# KiCad board SparkFun_GNSS_pHAT_panelized.kicad_pcb (continued)
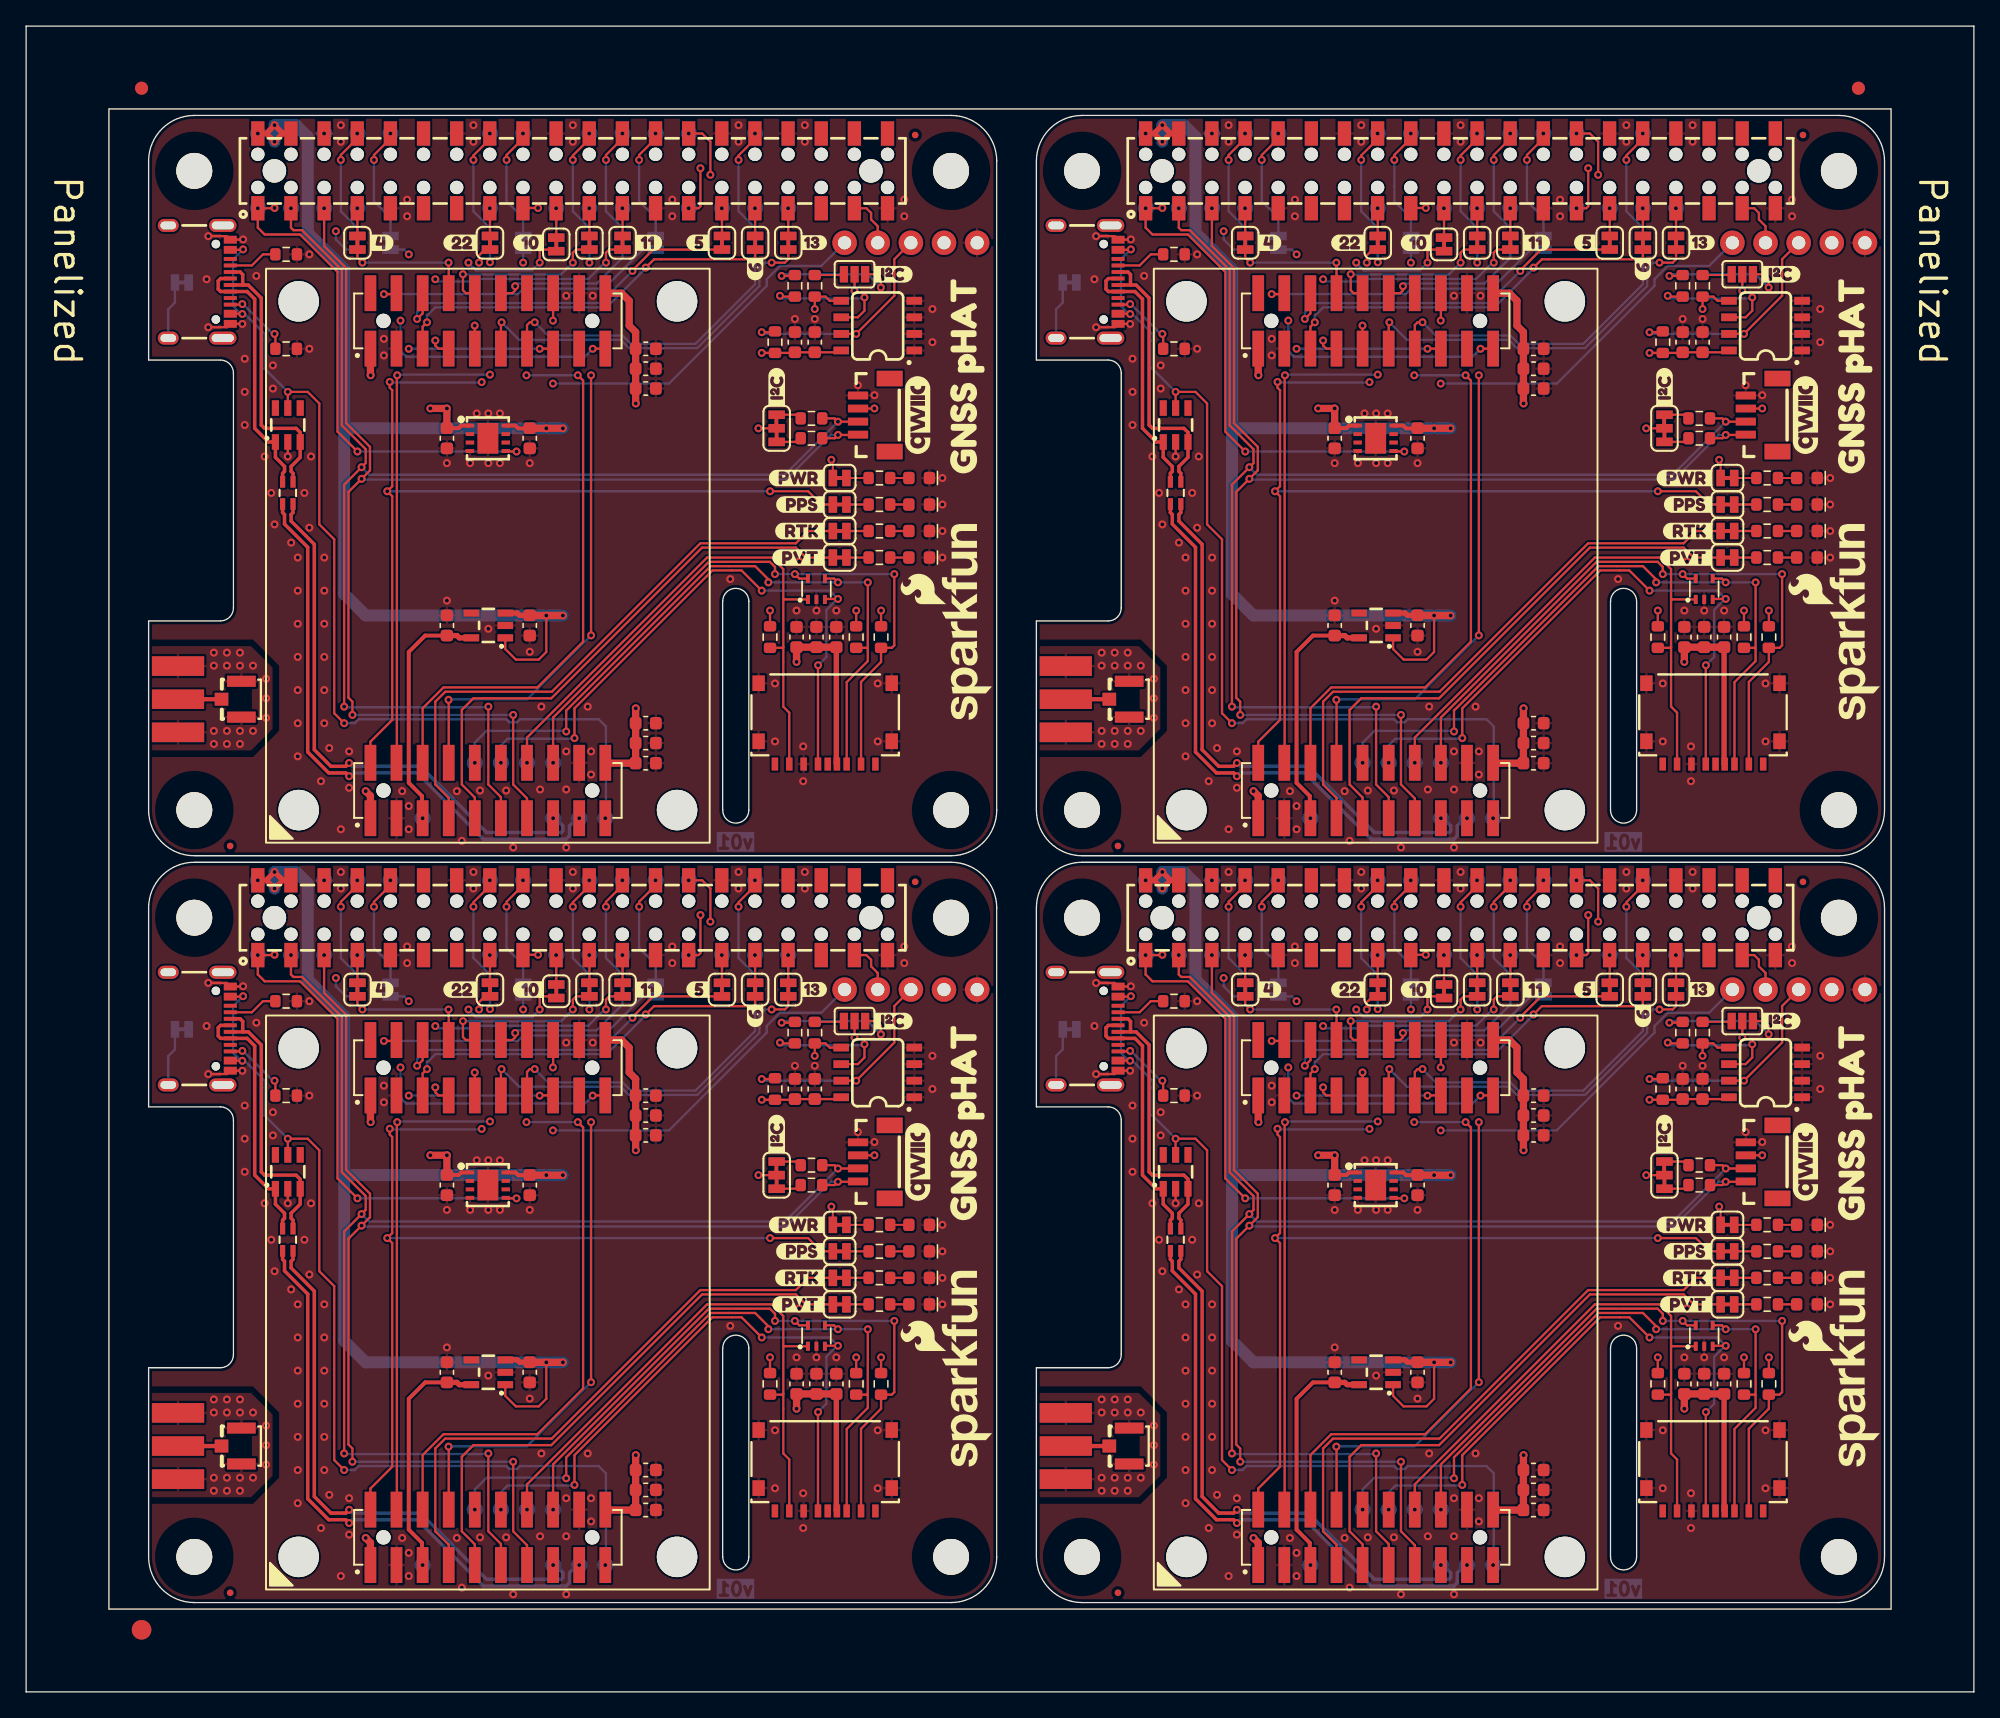
[diagram p0: board, top side]
## Routing (per net, layer and track width the routed paths; a pad name or vN(x,y) marks a point on that pad's centre or on a via; arc(x,y) is an arc through that point) (continued)
SDA: length 412
  Top w0.178: 129.06,97.63 130.01,97.63 v1(130.26,97.37) 131.79,97.37 J8#4.3 ; R4#4.1 61.97,97.63 v1(62.22,97.37) 63.75,97.37 J8#3.3 ; v1(103.47,18.28) 103.47,12.31 104.43,11.35 J2#3.11 ; R4#3.1 61.97,40.38 v1(62.22,40.12) 63.75,40.12 J8.3 ; v1(88.34,113.73) 88.34,112.25 88.53,112.06 89.19,112.06 92.24,109.01 92.24,97.09 94.07,95.27 94.07,94.2 v1(93.75,93.88) 92.42,92.55 v1(92.42,75.53) ; v1(24.38,18.28) 24.38,35.3 v1(25.71,36.63) 26.03,36.95 26.03,38.02 24.2,39.84 24.2,51.76 21.15,54.81 20.49,54.81 20.3,55 v1(20.3,56.48) ; v1(35.42,75.53) 35.42,69.56 36.39,68.6 36.39,66.98 ; v1(88.34,56.48) 88.34,55 88.53,54.81 89.19,54.81 92.24,51.76 92.24,39.84 94.07,38.02 94.07,36.95 v1(93.75,36.63) 92.42,35.3 v1(92.42,18.28) ; v1(35.42,18.28) 35.42,12.31 36.39,11.35 J2.11 ; v1(20.3,113.73) 20.3,112.25 20.49,112.06 21.15,112.06 24.2,109.01 24.2,97.09 26.03,95.27 26.03,94.2 v1(25.71,93.88) 24.38,92.55 v1(24.38,75.53) ; 129.06,40.38 130.01,40.38 v1(130.26,40.12) 131.79,40.12 J8#2.3 ; 104.43,66.98 104.43,68.6 103.47,69.56 v1(103.47,75.53)
  Bottom w0.152: TP3.1 20.31,113.75 v1(20.3,113.73) ; v1(20.3,56.48) 20.31,56.5 TP3#4.1 ; v1(88.34,113.73) 88.35,113.75 TP3#3.1 ; v1(88.34,56.48) 88.35,56.5 TP3#2.1
  Bottom w0.178: v1(92.42,18.28) 92.47,18.23 103.41,18.23 v1(103.47,18.28) ; v1(130.26,40.12) 126.2,36.06 94.32,36.06 v1(93.75,36.63) ; v1(93.75,93.88) 94.32,93.31 126.2,93.31 v1(130.26,97.37) ; v1(24.38,75.53) 24.43,75.48 35.37,75.48 v1(35.42,75.53) ; v1(25.71,36.63) 26.28,36.06 58.16,36.06 v1(62.22,40.12) ; v1(25.71,93.88) 26.28,93.31 58.16,93.31 v1(62.22,97.37) ; v1(92.42,75.53) 92.47,75.48 103.41,75.48 v1(103.47,75.53) ; v1(35.42,18.28) 35.37,18.23 24.43,18.23 v1(24.38,18.28)
TXD1: length 79.4
  Top w0.178: v1(39.36,45.71) 39.38,45.73 J4#2.15 ; v1(39.36,102.96) 39.38,102.97 J4#4.15 ; J4#3.15 107.41,102.97 v1(107.4,102.96) ; J4.15 107.41,45.73 v1(107.4,45.71)
  In2.Cu w0.178: v1(97.37,45.71) v1(97.37,52.95) ; v1(29.33,102.96) v1(29.33,110.2) ; v1(97.37,102.96) v1(97.37,110.2) ; v1(29.33,45.71) v1(29.33,52.95)
  Bottom w0.178: JP15#3.1 97,53.32 v1(97.37,52.95) ; v1(39.36,45.71) v1(29.33,45.71) ; v1(107.4,102.96) v1(97.37,102.96) ; v1(29.33,52.95) 28.96,53.32 JP15.1 ; JP15#4.1 97,110.57 v1(97.37,110.2) ; v1(29.33,110.2) 28.96,110.57 JP15#2.1 ; v1(39.36,102.96) v1(29.33,102.96) ; v1(107.4,45.71) v1(97.37,45.71)
TXD2: length 52.7
  Top w0.178: v1(101.52,108.68) 101.52,107.45 101.74,107.22 J4#3.10 ; v1(101.52,51.43) 101.52,50.2 101.74,49.98 J4.10 ; v1(109.94,109.57) 109.94,110.33 110.18,110.57 JP9#2.2 ; v1(109.94,52.32) 109.94,53.08 110.18,53.32 JP9#3.2 ; v1(41.9,109.57) 41.9,110.33 42.14,110.57 JP9#4.2 ; J4#4.10 33.7,107.22 33.48,107.45 v1(33.48,108.68) ; JP9.2 42.14,53.32 41.9,53.08 v1(41.9,52.32) ; J4#2.10 33.7,49.98 33.48,50.2 v1(33.48,51.43)
  Bottom w0.178: v1(41.9,109.57) 40.99,108.65 33.5,108.65 v1(33.48,108.68) ; v1(109.94,52.32) 109.03,51.4 101.54,51.4 v1(101.52,51.43) ; v1(101.52,108.68) 101.54,108.65 109.03,108.65 v1(109.94,109.57) ; v1(33.48,51.43) 33.5,51.4 40.99,51.4 v1(41.9,52.32)
TXD3: length 112.2
  Top w0.178: v1(114.51,108.93) 114.51,108.98 116.1,110.57 JP5#4.2 ; v1(29.96,105.25) 30.39,105.67 J4#4.6 ; v1(46.47,51.68) 46.47,51.73 48.06,53.32 JP5.2 ; JP5#3.2 48.06,110.57 46.47,108.98 v1(46.47,108.93) ; J4.6 98.43,48.42 v1(98,48) ; J4#3.6 98.43,105.67 v1(98,105.25) ; v1(29.96,48) 30.39,48.42 J4#2.6 ; v1(114.51,51.68) 114.51,51.73 116.1,53.32 JP5#2.2
  Bottom w0.178: v1(98,105.25) 98,105.76 98.72,106.47 112.05,106.47 v1(114.51,108.93) ; v1(29.96,105.25) 29.96,105.76 30.68,106.47 44.01,106.47 v1(46.47,108.93) ; v1(46.47,51.68) 44.01,49.22 30.68,49.22 29.96,48.51 v1(29.96,48) ; v1(98,48) 98,48.51 98.72,49.22 112.05,49.22 v1(114.51,51.68)
TXD4: length 116.8
  Top w0.178: v1(57.14,52.32) 58.16,52.32 58.41,52.57 JP13#3.2 ; v1(125.18,109.57) 126.2,109.57 126.45,109.82 JP13.2 ; v1(57.14,109.57) 58.16,109.57 58.41,109.82 JP13#4.2 ; v1(125.18,52.32) 126.2,52.32 126.45,52.57 JP13#2.2 ; v1(104.48,104.99) 104.43,104.94 J4#3.11 ; J4.11 104.43,47.69 v1(104.48,47.74) ; J4#4.11 36.39,104.94 v1(36.44,104.99) ; J4#2.11 36.39,47.69 v1(36.44,47.74)
  Bottom w0.178: v1(36.44,47.74) 37.79,46.4 45.58,46.4 46.21,45.76 51.44,45.76 56.2,50.53 56.2,51.88 56.63,52.32 v1(57.14,52.32) ; v1(125.18,52.32) 124.67,52.32 124.24,51.88 124.24,50.53 119.48,45.76 114.25,45.76 113.62,46.4 105.83,46.4 v1(104.48,47.74) ; v1(104.48,104.99) 105.83,103.65 113.62,103.65 114.25,103.01 119.48,103.01 124.24,107.78 124.24,109.13 124.67,109.57 v1(125.18,109.57) ; v1(57.14,109.57) 56.63,109.57 56.2,109.13 56.2,107.78 51.44,103.01 46.21,103.01 45.58,103.65 37.79,103.65 v1(36.44,104.99)
VBACKUP: length 74
  Top w0.305: 98.38,9.77 98.38,11.42 97.37,12.44 97.37,22.47 98.63,23.73 C5#2.2 ; C5#3.2 30.59,23.73 29.33,22.47 29.33,12.44 30.34,11.42 30.34,9.77 ; C5.2 30.59,80.98 29.33,79.72 29.33,69.69 30.34,68.67 30.34,67.02 ; 98.38,67.02 98.38,68.67 97.37,69.69 97.37,79.72 98.63,80.98 C5#4.2
  Top w0.406: U3#4.5 101.24,23.55 101.06,23.73 C5#2.2 ; U3.5 101.24,80.8 101.06,80.98 C5#4.2 ; U3#3.5 33.2,23.55 33.03,23.73 C5#3.2 ; U3#2.5 33.2,80.8 33.03,80.98 C5.2
  vias: v1(30.39,66.98) v1(30.39,9.73) v1(98.43,66.98) v1(98.43,9.73)
VUSB: length 288.2
  Top w0.178: v1(92.42,17.01) 91.65,17.77 91.65,31.11 90.51,32.25 90.51,41.52 89.62,42.41 v1(88.1,42.41) D1#4.5 ; v1(16.63,110.58) 16.6,110.55 J6#2.VBUS ; v1(24.38,17.01) 23.61,17.77 23.61,31.11 22.47,32.25 22.47,41.52 21.58,42.41 v1(20.06,42.41) D1#3.5 ; v1(24.38,74.26) 23.61,75.02 23.61,88.36 22.47,89.5 22.47,98.77 21.58,99.66 v1(20.06,99.66) D1#2.5 ; J6#3.VBUS 84.64,110.55 v1(84.67,110.58) ; J6.VBUS 84.59,48.4 v1(84.61,48.38) ; v1(84.67,53.33) 84.64,53.3 J6.VBUS ; J6#2.VBUS 16.55,105.65 v1(16.57,105.63) ; v1(16.57,48.38) 16.55,48.4 J6#4.VBUS ; v1(92.42,74.26) 91.65,75.02 91.65,88.36 90.51,89.5 90.51,98.77 89.62,99.66 v1(88.1,99.66) D1.5 ; J6#3.VBUS 84.59,105.65 v1(84.61,105.63) ; J6#4.VBUS 16.6,53.3 v1(16.63,53.33)
  Bottom w0.178: v1(84.67,110.58) 83.91,109.82 83.91,106.24 84.52,105.63 v1(84.61,105.63) 84.8,105.63 86.32,104.11 86.32,101.44 v1(88.1,99.66) ; v1(112.43,66.98) 112.48,67.03 112.48,74.01 111.92,74.56 105.9,74.56 105.67,74.34 105.07,74.34 104.84,74.56 93.53,74.56 93.23,74.26 v1(92.42,74.26) ; v1(88.1,42.41) 86.32,44.19 86.32,46.86 84.8,48.38 v1(84.61,48.38) 84.52,48.38 83.91,48.99 83.91,52.57 v1(84.67,53.33) ; v1(44.39,9.73) 44.44,9.78 44.44,16.76 43.88,17.31 37.86,17.31 37.63,17.09 37.03,17.09 36.8,17.31 25.49,17.31 25.19,17.01 v1(24.38,17.01) ; v1(16.63,110.58) 15.87,109.82 15.87,106.24 16.48,105.63 v1(16.57,105.63) 16.76,105.63 18.28,104.11 18.28,101.44 v1(20.06,99.66) ; v1(44.39,66.98) 44.44,67.03 44.44,74.01 43.88,74.56 37.86,74.56 37.63,74.34 37.03,74.34 36.8,74.56 25.49,74.56 25.19,74.26 v1(24.38,74.26) ; v1(112.43,9.73) 112.48,9.78 112.48,16.76 111.92,17.31 105.9,17.31 105.67,17.09 105.07,17.09 104.84,17.31 93.53,17.31 93.23,17.01 v1(92.42,17.01) ; v1(20.06,42.41) 18.28,44.19 18.28,46.86 16.76,48.38 v1(16.57,48.38) 16.48,48.38 15.87,48.99 15.87,52.57 v1(16.63,53.33)
WP: length 72.9
  Top w0.178: 67.81,53.85 66.54,52.58 66.54,49.78 v1(63.62,46.86) U1#3.7 ; 135.85,111.1 134.58,109.83 134.58,107.03 v1(131.66,104.11) 130.51,104.11 ; R3#4.1 125.37,46.98 v1(124.42,46.98) ; R3#3.1 57.33,104.23 v1(56.38,104.23) ; R3#2.1 57.33,46.98 v1(56.38,46.98) ; v1(124.42,104.23) 125.37,104.23 R3.1 ; 62.47,104.11 v1(63.62,104.11) 66.54,107.03 66.54,109.83 67.81,111.1 ; U1#2.7 v1(131.66,46.86) 134.58,49.78 134.58,52.58 135.85,53.85
  Bottom w0.178: v1(131.66,46.86) 124.55,46.86 v1(124.42,46.98) ; v1(63.62,46.86) 56.51,46.86 v1(56.38,46.98) ; v1(56.38,104.23) 56.51,104.11 v1(63.62,104.11) ; v1(124.42,104.23) 124.55,104.11 v1(131.66,104.11)
~{RST}: length 136.2
  Top w0.178: v1(108.42,105.12) 108.43,105.13 J4#3.16 ; v1(108.42,47.87) 108.43,47.88 J4.16 ; v1(40.38,105.12) 40.39,105.13 J4#4.16 ; v1(40.38,47.87) 40.39,47.88 J4#2.16
  In2.Cu w0.178: v1(108.42,105.12) v1(108.42,100.3) ; v1(40.38,43.05) v1(40.38,47.87) ; v1(108.42,43.05) v1(108.42,47.87) ; v1(40.38,100.3) v1(40.38,105.12)
  Bottom w0.178: v1(108.42,43.05) 117.31,43.05 124.8,50.54 124.8,51.05 125.82,52.06 128.98,52.06 130.77,53.85 ; v1(40.38,43.05) 49.27,43.05 56.76,50.54 56.76,51.05 57.78,52.06 60.94,52.06 62.73,53.85 ; 130.77,111.1 128.98,109.31 125.82,109.31 124.8,108.3 124.8,107.79 117.31,100.3 v1(108.42,100.3) ; 62.73,111.1 60.94,109.31 57.78,109.31 56.76,108.3 56.76,107.79 49.27,100.3 v1(40.38,100.3)
Net-(D1-I/O1): length 80.3
  Top w0.267: J6#2.A6 14.9,108.35 14.72,108.17 14.72,107.53 14.91,107.35 J6#2.B6 16.94,107.35 17.52,106.77 17.52,96.87 18.56,95.82 D1#2.1 19.11,94.64 19.8,93.94 19.8,93.56 19.66,93.42 TR1#3.3 ; TR1#2.3 87.7,93.42 87.84,93.56 87.84,93.94 87.15,94.64 D1.1 86.6,95.82 85.56,96.87 85.56,106.77 84.98,107.35 J6#3.B6 82.95,107.35 82.76,107.53 82.76,108.17 82.94,108.35 J6#3.A6 ; J6.A6 82.94,51.1 82.76,50.92 82.76,50.28 82.95,50.1 J6.B6 84.98,50.1 85.56,49.52 85.56,39.62 86.6,38.57 D1#4.1 87.15,37.39 87.84,36.7 87.84,36.31 87.7,36.17 87.7,35.51 ; J6#4.A6 14.9,51.1 14.72,50.92 14.72,50.28 14.91,50.1 J6#4.B6 16.94,50.1 17.52,49.52 17.52,39.62 18.56,38.57 D1#3.1 19.11,37.39 19.8,36.7 19.8,36.31 19.66,36.17 19.66,35.51
Net-(D1-I/O2): length 86.9
  Top w0.267: J6#4.B7 16.41,51.6 16.6,51.41 16.6,50.63 16.63,50.6 ; 20.46,35.51 20.46,36.17 20.31,36.31 20.31,36.7 21.01,37.39 D1#3.3 21.01,39.3 20.69,39.62 18.28,39.62 18.03,39.87 18.03,49.61 17.03,50.6 16.63,50.6 ; TR1#3.1 20.46,93.42 20.31,93.56 20.31,93.94 21.01,94.64 D1#2.3 21.01,96.55 20.69,96.87 18.28,96.87 18.03,97.12 18.03,106.86 17.03,107.85 16.63,107.85 ; 16.63,50.6 J6#4.A7 ; 84.67,107.85 85.07,107.85 86.07,106.86 86.07,97.12 86.32,96.87 88.73,96.87 89.05,96.55 D1.3 89.05,94.64 88.35,93.94 88.35,93.56 88.5,93.42 TR1#2.1 ; 84.67,107.85 J6#3.A7 ; 84.67,107.85 84.64,107.88 84.64,108.66 84.45,108.85 J6#3.B7 ; J6.B7 84.45,51.6 84.64,51.41 84.64,50.63 84.67,50.6 ; J6#2.B7 16.41,108.85 16.6,108.66 16.6,107.88 16.63,107.85 ; 16.63,107.85 J6#2.A7 ; 84.67,50.6 85.07,50.6 86.07,49.61 86.07,39.87 86.32,39.62 88.73,39.62 89.05,39.3 D1#4.3 89.05,37.39 88.35,36.7 88.35,36.31 88.5,36.17 88.5,35.51 ; 84.67,50.6 J6.A7
Net-(D3-A): length 5.7
  Top w0.178: D3#2.2 R11#3.1 ; D3#4.2 R11#4.1 ; D3.2 R11.1 ; D3#3.2 R11#2.1
Net-(D4-A): length 5.7
  Top w0.178: D4#2.2 R12#3.1 ; D4#3.2 R12#4.1 ; D4.2 R12#2.1 ; D4#4.2 R12.1
Net-(D5-A): length 5.7
  Top w0.178: D5#4.2 R13#4.1 ; D5.2 R13#3.1 ; D5#2.2 R13#2.1 ; D5#3.2 R13.1
Net-(D6-A): length 5.7
  Top w0.152: R14#3.2 D6#2.2 ; R14#4.2 D6#4.2 ; R14.2 D6#3.2 ; R14#2.2 D6.2
Net-(J1-GCLK0/GPIO4): length 8.5
  Top w0.178: JP4#3.1 93.43,113.72 v1(93.42,113.73) ; JP4#4.1 25.39,113.72 v1(25.38,113.73) ; v1(25.38,56.48) 25.39,56.47 JP4.1 ; v1(93.42,56.48) 93.43,56.47 JP4#2.1
Net-(J1-GCLK1/GPIO5): length 8.6
  Top w0.178: v1(121.36,56.48) 121.37,56.47 JP5#2.1 ; v1(121.36,113.73) 121.37,113.72 JP5#4.1 ; v1(53.32,113.73) 53.33,113.72 JP5#3.1 ; v1(53.32,56.48) 53.33,56.47 JP5.1
  Bottom w0.152: TP6#3.1 121.37,56.5 v1(121.36,56.48) ; v1(121.36,113.73) 121.37,113.75 TP6.1 ; v1(53.32,113.73) 53.33,113.75 TP6#2.1 ; v1(53.32,56.48) 53.33,56.5 TP6#4.1
Net-(J1-GCLK2/GPIO6): length 8.6
  Top w0.178: v1(123.9,56.48) 123.91,56.47 JP6#2.1 ; JP6.1 123.91,113.72 v1(123.9,113.73) ; v1(55.86,56.48) 55.87,56.47 JP6#4.1 ; JP6#3.1 55.87,113.72 v1(55.86,113.73)
  Bottom w0.152: v1(55.86,56.48) 55.87,56.5 TP7#4.1 ; v1(55.86,113.73) 55.87,113.75 TP7#2.1 ; v1(123.9,113.73) 123.91,113.75 TP7.1 ; TP7#3.1 123.91,56.5 v1(123.9,56.48)
Net-(J1-GPIO14/TXD): length 35.7
  Top w0.178: v1(93.42,62.22) 93.42,61.83 92.16,60.57 v1(92.16,60.19) ; v1(93.42,119.47) 93.42,119.08 92.16,117.82 v1(92.16,117.44) ; v1(25.38,119.47) 25.38,119.08 24.12,117.82 v1(24.12,117.44) ; v1(24.12,60.19) 24.12,60.57 25.38,61.83 v1(25.38,62.22)
  Bottom w0.152: v1(93.42,119.47) 93.43,119.47 TP15#3.1 ; v1(25.38,119.47) 25.39,119.47 TP15#4.1 ; v1(93.42,62.22) 93.43,62.22 TP15.1 ; v1(25.38,62.22) 25.39,62.22 TP15#2.1
  Bottom w0.178: v1(24.12,117.44) 24.12,113.5 25.39,112.23 JP14.2 ; JP14#3.2 25.39,54.98 24.12,56.25 v1(24.12,60.19) ; v1(92.16,60.19) 92.16,56.25 93.43,54.98 JP14#2.2 ; JP14#4.2 93.43,112.23 92.16,113.5 v1(92.16,117.44)
Net-(J1-GPIO15/RXD): length 35.7
  Top w0.178: v1(95.96,119.47) 95.96,119.08 94.7,117.82 v1(94.7,117.44) ; v1(27.92,62.22) 27.92,61.83 26.66,60.57 v1(26.66,60.19) ; v1(26.66,117.44) 26.66,117.82 27.92,119.08 v1(27.92,119.47) ; v1(95.96,62.22) 95.96,61.83 94.7,60.57 v1(94.7,60.19)
  Bottom w0.152: TP16#3.1 95.97,119.47 v1(95.96,119.47) ; v1(27.92,119.47) 27.93,119.47 TP16#2.1 ; v1(27.92,62.22) 27.93,62.22 TP16#4.1 ; TP16.1 95.97,62.22 v1(95.96,62.22)
  Bottom w0.178: v1(94.7,60.19) 94.7,57.02 95.97,55.75 JP15#3.2 ; v1(26.66,60.19) 26.66,57.02 27.93,55.75 JP15.2 ; v1(26.66,117.44) 26.66,114.27 27.93,113 JP15#2.2 ; JP15#4.2 95.97,113 94.7,114.27 v1(94.7,117.44)
Net-(J1-GPIO22): length 8.6
  Top w0.178: v1(103.58,113.73) 103.59,113.72 JP22#3.2 ; JP22#2.2 35.55,56.47 v1(35.54,56.48) ; JP22#4.2 103.59,56.47 v1(103.58,56.48) ; v1(35.54,113.73) 35.55,113.72 JP22.2
  Bottom w0.152: TP17#2.1 35.55,113.75 v1(35.54,113.73) ; TP17.1 103.59,113.75 v1(103.58,113.73) ; v1(103.58,56.48) 103.59,56.5 TP17#3.1 ; TP17#4.1 35.55,56.5 v1(35.54,56.48)
Net-(J1-GPIO23): length 35.7
  Top w0.178: v1(35.54,62.22) 35.54,61.79 34.28,60.53 v1(34.28,60.19) ; v1(35.54,119.47) 35.54,119.04 34.28,117.78 v1(34.28,117.44) ; v1(103.58,119.47) 103.58,119.04 102.32,117.78 v1(102.32,117.44) ; v1(102.32,60.19) 102.32,60.53 103.58,61.79 v1(103.58,62.22)
  Bottom w0.152: TP18.1 103.59,62.22 v1(103.58,62.22) ; v1(103.58,119.47) 103.59,119.47 TP18#3.1 ; v1(35.54,62.22) 35.55,62.22 TP18#4.1 ; v1(35.54,119.47) 35.55,119.47 TP18#2.1
  Bottom w0.178: JP23#2.2 35.55,112.23 34.28,113.5 v1(34.28,117.44) ; JP23.2 103.59,54.98 102.32,56.25 v1(102.32,60.19) ; JP23#3.2 35.55,54.98 34.28,56.25 v1(34.28,60.19) ; v1(102.32,117.44) 102.32,113.5 103.59,112.23 JP23#4.2
Net-(J1-GPIO24): length 35.7
  Top w0.178: v1(106.12,62.22) 106.12,61.83 104.86,60.57 v1(104.86,60.19) ; v1(38.08,62.22) 38.08,61.83 36.82,60.57 v1(36.82,60.19) ; v1(106.12,119.47) 106.12,119.08 104.86,117.82 v1(104.86,117.44) ; v1(38.08,119.47) 38.08,119.08 36.82,117.82 v1(36.82,117.44)
  Bottom w0.152: TP19#4.1 106.13,119.47 v1(106.12,119.47) ; v1(106.12,62.22) 106.13,62.22 TP19#2.1 ; v1(38.08,62.22) 38.09,62.22 TP19#3.1 ; TP19.1 38.09,119.47 v1(38.08,119.47)
  Bottom w0.178: v1(104.86,60.19) 104.86,57.02 106.13,55.75 JP24.2 ; v1(104.86,117.44) 104.86,114.27 106.13,113 JP24#3.2 ; v1(36.82,117.44) 36.82,114.27 38.09,113 JP24#4.2 ; v1(36.82,60.19) 36.82,57.02 38.09,55.75 JP24#2.2
Net-(J1-GPIO25): length 35.7
  Top w0.178: v1(41.9,117.44) 41.9,117.78 43.16,119.04 v1(43.16,119.47) ; v1(109.94,60.19) 109.94,60.53 111.2,61.79 v1(111.2,62.22) ; v1(109.94,117.44) 109.94,117.78 111.2,119.04 v1(111.2,119.47) ; v1(41.9,60.19) 41.9,60.53 43.16,61.79 v1(43.16,62.22)
  Bottom w0.152: TP20#4.1 43.17,62.22 v1(43.16,62.22) ; v1(43.16,119.47) 43.17,119.47 TP20#2.1 ; TP20#3.1 111.21,119.47 v1(111.2,119.47) ; TP20.1 111.21,62.22 v1(111.2,62.22)
  Bottom w0.178: JP25#2.2 43.17,112.23 41.9,113.5 v1(41.9,117.44) ; v1(41.9,60.19) 41.9,56.25 43.17,54.98 JP25#4.2 ; JP25.2 111.21,112.23 109.94,113.5 v1(109.94,117.44) ; v1(109.94,60.19) 109.94,56.25 111.21,54.98 JP25#3.2
Net-(J1-PICO0/GPIO10): length 8.6
  Top w0.178: v1(108.66,56.48) 108.67,56.47 108.67,54.36 ; 108.67,111.61 108.67,113.72 v1(108.66,113.73) ; 40.63,111.61 40.63,113.72 v1(40.62,113.73) ; 40.63,54.36 40.63,56.47 v1(40.62,56.48)
  Bottom w0.152: TP11#3.1 40.63,113.75 v1(40.62,113.73) ; v1(40.62,56.48) 40.63,56.5 TP11#4.1 ; v1(108.66,113.73) 108.67,113.75 TP11.1 ; TP11#2.1 108.67,56.5 v1(108.66,56.48)
Net-(J1-POCI0/GPIO9): length 8.6
  Top w0.178: v1(43.16,113.73) 43.17,113.72 JP9#4.1 ; v1(43.16,56.48) 43.17,56.47 JP9.1 ; JP9#2.1 111.21,113.72 v1(111.2,113.73) ; v1(111.2,56.48) 111.21,56.47 JP9#3.1
  Bottom w0.152: v1(43.16,113.73) 43.17,113.75 TP10#3.1 ; v1(111.2,113.73) 111.21,113.75 TP10.1 ; v1(43.16,56.48) 43.17,56.5 TP10#2.1 ; TP10#4.1 111.21,56.5 v1(111.2,56.48)
Net-(J1-PWM0/GPIO12): length 35.7
  Top w0.178: v1(122.64,117.44) 122.64,117.78 123.9,119.04 v1(123.9,119.47) ; v1(122.64,60.19) 122.64,60.53 123.9,61.79 v1(123.9,62.22) ; v1(54.6,60.19) 54.6,60.53 55.86,61.79 v1(55.86,62.22) ; v1(55.86,119.47) 55.86,119.04 54.6,117.78 v1(54.6,117.44)
  Bottom w0.152: v1(55.86,62.22) 55.87,62.22 TP13#3.1 ; TP13#2.1 123.91,119.47 v1(123.9,119.47) ; v1(55.86,119.47) 55.87,119.47 TP13.1 ; TP13#4.1 123.91,62.22 v1(123.9,62.22)
  Bottom w0.178: v1(122.64,117.44) 122.64,113.5 123.91,112.23 JP12#4.1 ; v1(54.6,117.44) 54.6,113.5 55.87,112.23 JP12#2.1 ; v1(122.64,60.19) 122.64,56.25 123.91,54.98 JP12#3.1 ; JP12.1 55.87,54.98 54.6,56.25 v1(54.6,60.19)
Net-(J1-PWM1/GPIO13): length 8.6
  Top w0.178: v1(58.4,56.48) 58.41,56.47 JP13#3.1 ; JP13#4.1 58.41,113.72 v1(58.4,113.73) ; JP13#2.1 126.45,56.47 v1(126.44,56.48) ; v1(126.44,113.73) 126.45,113.72 JP13.1
  Bottom w0.152: TP14.1 58.41,56.5 v1(58.4,56.48) ; TP14#4.1 126.45,113.75 v1(126.44,113.73) ; v1(58.4,113.73) 58.41,113.75 TP14#2.1 ; v1(126.44,56.48) 126.45,56.5 TP14#3.1
Net-(J1-SCLK0/GPIO11): length 8.6
  Top w0.178: v1(45.7,113.73) 45.71,113.72 JP11#3.1 ; JP11.1 113.75,56.47 v1(113.74,56.48) ; v1(45.7,56.48) 45.71,56.47 JP11#4.1 ; JP11#2.1 113.75,113.72 v1(113.74,113.73)
  Bottom w0.152: v1(113.74,113.73) 113.75,113.75 TP12#2.1 ; v1(45.7,113.73) 45.71,113.75 TP12#3.1 ; TP12.1 45.71,56.5 v1(45.7,56.48) ; v1(113.74,56.48) 113.75,56.5 TP12#4.1
Net-(J1-~{CE0}/GPIO8): length 35.7
  Top w0.178: v1(113.74,62.22) 113.74,61.83 112.48,60.57 v1(112.48,60.19) ; v1(45.7,62.22) 45.7,61.83 44.44,60.57 v1(44.44,60.19) ; v1(112.48,117.44) 112.48,117.82 113.74,119.08 v1(113.74,119.47) ; v1(45.7,119.47) 45.7,119.08 44.44,117.82 v1(44.44,117.44)
  Bottom w0.152: TP9#3.1 113.75,119.47 v1(113.74,119.47) ; v1(45.7,119.47) 45.71,119.47 TP9#4.1 ; TP9.1 45.71,62.22 v1(45.7,62.22) ; TP9#2.1 113.75,62.22 v1(113.74,62.22)
  Bottom w0.178: JP8#4.1 113.75,54.98 112.48,56.25 v1(112.48,60.19) ; JP8#3.1 45.71,112.23 44.44,113.5 v1(44.44,117.44) ; JP8.1 113.75,112.23 112.48,113.5 v1(112.48,117.44) ; v1(44.44,60.19) 44.44,56.25 45.71,54.98 JP8#2.1
Net-(J1-~{CE1}/GPIO7): length 35.7
  Top w0.178: v1(46.98,60.19) 46.98,60.57 48.24,61.83 v1(48.24,62.22) ; v1(116.28,119.47) 116.28,119.08 115.02,117.82 v1(115.02,117.44) ; v1(115.02,60.19) 115.02,60.57 116.28,61.83 v1(116.28,62.22) ; v1(46.98,117.44) 46.98,117.82 48.24,119.08 v1(48.24,119.47)
  Bottom w0.152: v1(48.24,119.47) 48.25,119.47 TP8#4.1 ; v1(48.24,62.22) 48.25,62.22 TP8#3.1 ; TP8#2.1 116.29,62.22 v1(116.28,62.22) ; v1(116.28,119.47) 116.29,119.47 TP8.1
  Bottom w0.178: JP7#2.1 116.29,55.75 115.02,57.02 v1(115.02,60.19) ; JP7#3.1 48.25,113 46.98,114.27 v1(46.98,117.44) ; JP7#4.1 48.25,55.75 46.98,57.02 v1(46.98,60.19) ; JP7.1 116.29,113 115.02,114.27 v1(115.02,117.44)
Net-(J3-In): length 13.3
  Top w0.33: J3#3.1 J7.1 ; J3#2.1 J7#2.1 ; J3.1 J7#3.1 ; J3#4.1 J7#4.1
Net-(J6-CC1): length 15.2
  Top w0.178: J6#2.A5 17.3,109.35 18.15,110.2 R9#4.2 ; R9.2 86.19,110.2 85.34,109.35 J6#3.A5 ; J6.A5 85.34,52.1 86.19,52.95 R9#3.2 ; J6#4.A5 17.3,52.1 18.15,52.95 R9#2.2
Net-(J6-CC2): length 22.1
  Top w0.178: v1(87.08,104.11) 87.15,104.04 R10#4.2 ; R10#2.2 19.11,104.04 v1(19.04,104.11) ; v1(84.61,106.39) 84.57,106.35 J6#3.B5 ; J6#2.B5 16.53,106.35 v1(16.57,106.39) ; J6.B5 84.57,49.1 v1(84.61,49.14) ; v1(87.08,46.86) 87.15,46.79 R10.2 ; J6#4.B5 16.53,49.1 v1(16.57,49.14) ; v1(19.04,46.86) 19.11,46.79 R10#3.2
  Bottom w0.178: v1(19.04,104.11) 18.91,104.11 16.63,106.39 v1(16.57,106.39) ; v1(84.61,106.39) 84.67,106.39 86.95,104.11 v1(87.08,104.11) ; v1(87.08,46.86) 86.95,46.86 84.67,49.14 v1(84.61,49.14) ; v1(16.57,49.14) 16.63,49.14 18.91,46.86 v1(19.04,46.86)
Net-(J6-SHIELD): length 17.9
  Bottom w0.178: J6#3.S 78.94,105.99 79.45,106.51 JP3#2.2 ; J6#4.S 10.89,48.74 11.41,49.26 JP3#4.2 ; JP3#3.2 11.41,106.51 10.89,105.99 J6#2.S ; J6.S 78.94,48.74 79.45,49.26 JP3.2
Net-(JP1-A): length 7.8
  Top w0.178: JP1#2.1 127.13,95.82 R5#4.2 ; JP1#4.1 59.09,38.57 59.36,38.85 ; JP1.1 59.09,95.82 59.36,96.1 ; JP1#3.1 127.13,38.57 R5#2.2
Net-(JP1-C): length 7.8
  Top w0.178: JP1#3.3 127.13,40.66 R4.2 ; JP1#4.3 59.09,40.66 59.36,40.38 ; 59.36,97.63 59.09,97.91 JP1.3 ; JP1#2.3 127.13,97.91 R4#2.2
Net-(JP2-A): length 44.5
  Top w0.178: JP2.1 133.18,51.43 133.55,51.06 v1(133.55,50.41) ; v1(65.51,107.66) 65.51,108.31 65.14,108.68 JP2#3.1 ; v1(133.55,107.66) 133.55,108.31 133.18,108.68 JP2#2.1 ; v1(125.94,108.55) 126.9,108.55 R1#2.2 ; R1#3.2 58.86,51.3 v1(57.9,51.3) ; JP2#4.1 65.14,51.43 65.51,51.06 v1(65.51,50.41) ; v1(125.94,51.3) 126.9,51.3 R1.2 ; v1(57.9,108.55) 58.86,108.55 R1#4.2
  Bottom w0.178: v1(125.94,51.3) 126.07,51.43 132.53,51.43 v1(133.55,50.41) ; v1(57.9,51.3) 58.03,51.43 64.49,51.43 v1(65.51,50.41) ; v1(125.94,108.55) 126.07,108.68 132.53,108.68 v1(133.55,107.66) ; v1(57.9,108.55) 58.03,108.68 64.49,108.68 v1(65.51,107.66)
Net-(JP2-C): length 9.4
  Top w0.152: R2#4.2 62.62,108.61 JP2#3.3 ; JP2#2.3 130.66,108.61 R2.2 ; R2#2.2 130.66,51.36 JP2.3 ; JP2#4.3 62.62,51.36 R2#3.2
  Top w0.178: 62.39,51.36 62.45,51.43 ; 62.39,108.61 62.45,108.68 ; 130.43,51.36 130.49,51.43 ; 130.43,108.61 130.49,108.68
Net-(PPS1.1-B): length 6.8
  Top w0.178: R13#2.2 PPS1.1#2.2 ; R13.2 PPS1.1#3.2 ; R13#3.2 PPS1.1.2 ; R13#4.2 PPS1.1#4.2
Net-(PVT.1-B): length 6.8
  Top w0.178: R12#3.2 PVT.1#2.2 ; R12#2.2 PVT.1#4.2 ; R12#4.2 PVT.1.2 ; R12.2 PVT.1#3.2
Net-(PWR.1-A): length 6.8
  Top w0.152: R14.1 PWR.1#2.1 ; R14#3.1 PWR.1#3.1 ; R14#2.1 PWR.1.1 ; R14#4.1 PWR.1#4.1
Net-(RTK.1-B): length 6.8
  Top w0.178: R11#3.2 RTK.1#3.2 ; R11#2.2 RTK.1#2.2 ; R11#4.2 RTK.1#4.2 ; R11.2 RTK.1.2

## Copper pours and planes (outline as drawn; the poured copper is in the pictures)
3.3V on In2.Cu: 77.43,6.85 77.43,63.6 142.43,63.6 142.43,6.85
3.3V on In2.Cu: 9.39,6.85 9.39,63.6 74.39,63.6 74.39,6.85
3.3V on In2.Cu: 77.43,64.1 77.43,120.85 142.43,120.85 142.43,64.1
3.3V on In2.Cu: 9.39,64.1 9.39,120.85 74.39,120.85 74.39,64.1
GND on Top, Bottom, In1.Cu: 77.43,6.85 77.43,63.6 142.43,63.6 142.43,6.85
GND on Top, Bottom, In1.Cu: 77.43,64.1 77.43,120.85 142.43,120.85 142.43,64.1
GND on Top, Bottom, In1.Cu: 9.39,64.1 9.39,120.85 74.39,120.85 74.39,64.1
GND on Top, Bottom, In1.Cu: 9.39,6.85 9.39,63.6 74.39,63.6 74.39,6.85

## Text on the board
Bottom: v01
User.Comments: V-SCORE | ROUTE OUT
F.Fab: Layers: 4 | Solder Mask: Red | Silkscreen Color: White | Thickness: 1.6mm | Finish: ENIG | Controlled Impedance: JLC7628 | Material: TG155 | No Clean Process | Outer Copper Weight: 1oz | Inner Copper Weight: 0.5oz | Ordering Notes
F.Silkscreen: Panelized
